# KiCad board KeyBoard.kicad_pcb (continued)
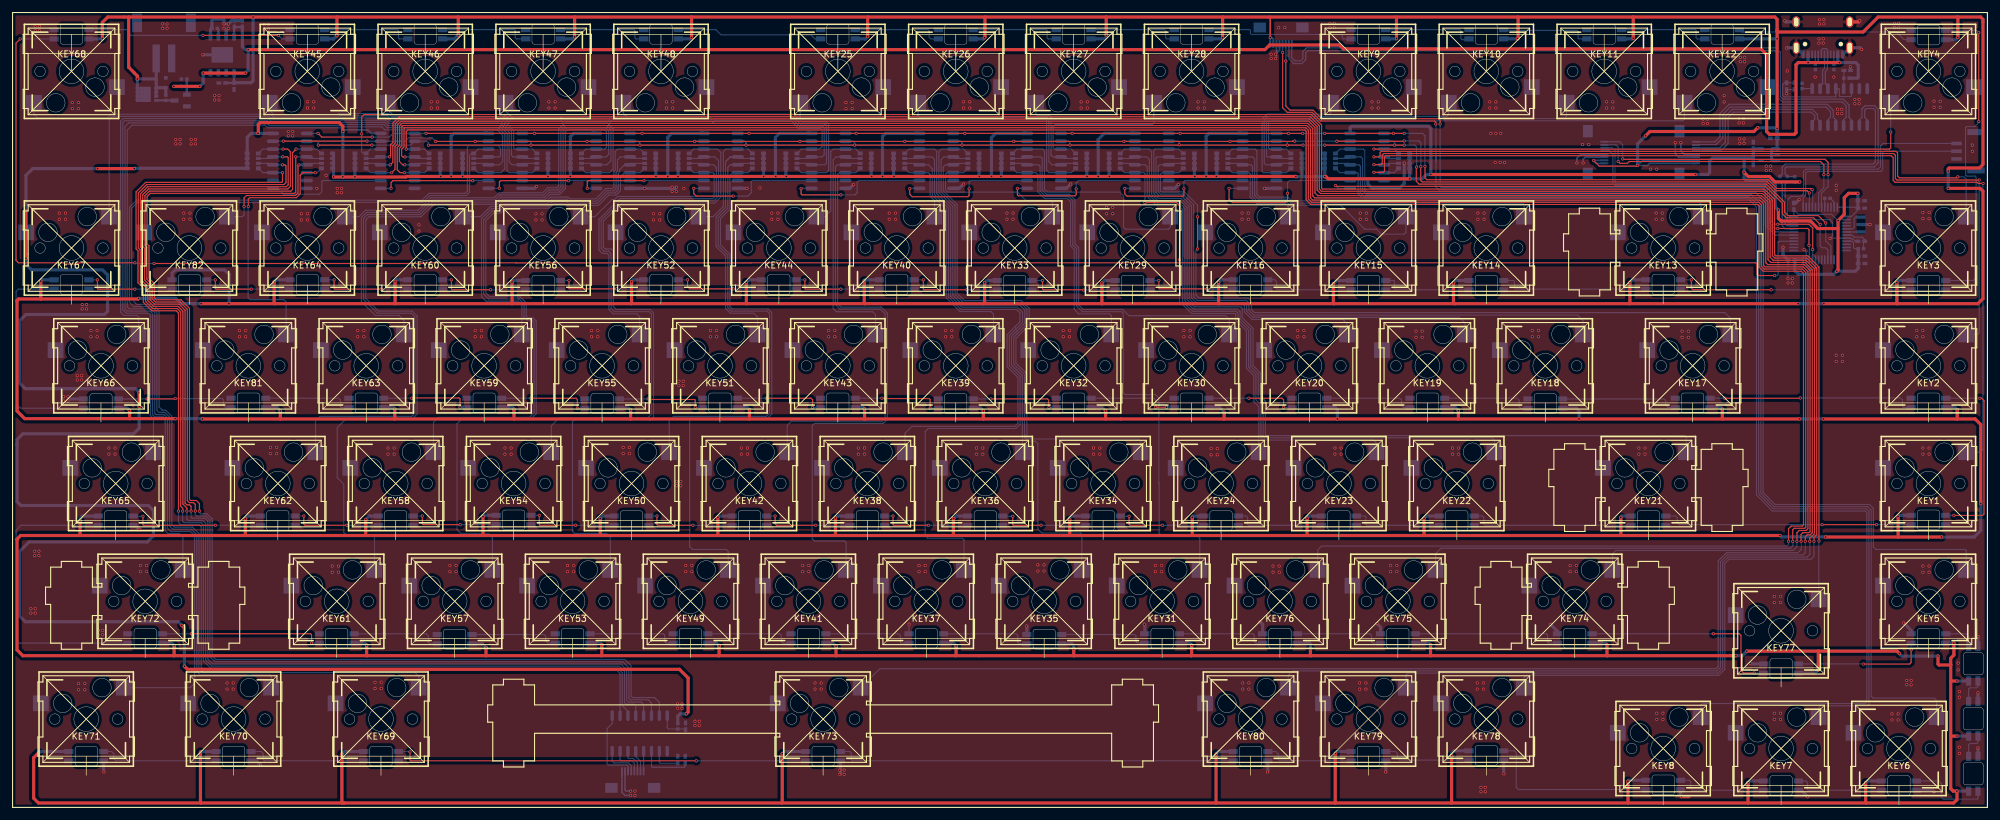
[diagram p0: board, top side]
## Routing (per net, layer and track width the routed paths; a pad name or vN(x,y) marks a point on that pad's centre or on a via; arc(x,y) is an arc through that point) (continued)
Net-(U7-DS): length 21.4
  Top w0.178: v1(102.04,101.43) 93.04,101.43 92.89,101.28 v1(92.89,100.18)
  Bottom w0.178: U8.9 94.31,100.18 v1(92.89,100.18) ; v1(102.04,101.43) 102.06,101.45 U7.10
Net-(U8-D0): length 67.5
  Bottom w0.178: R16.4 92.66,102.72 U8.11 96.48,102.72 97.06,103.29 97.06,109.82 96.17,110.71 89.21,110.71 88.27,109.77 88.27,100.56 87.99,100.28 86.49,100.28 85.68,99.47 78.66,99.47 77.86,98.66 67.58,98.66 65.56,96.64 57.06,96.64 56.02,95.61 53.75,95.61
Net-(U8-D1): length 86.3
  Bottom w0.178: R16.3 94.08,104.23 94.32,103.99 96.05,103.99 96.7,104.64 96.7,109.67 96.02,110.35 89.36,110.35 88.63,109.62 88.63,100.41 88.14,99.92 86.64,99.92 85.83,99.11 78.81,99.11 78,98.31 67.73,98.31 65.71,96.29 57.2,96.29 56.39,95.47 56.39,81.88 58.64,79.63 62.49,79.63 63.27,78.84 63.27,76.56
Net-(U8-D2): length 119.5
  Bottom w0.178: 48.98,57.51 48.98,62.57 49.7,63.29 64.5,63.29 65.04,63.83 65.04,79.38 64.43,79.98 58.98,79.98 56.74,82.22 56.74,95.33 57.35,95.93 65.86,95.93 67.88,97.95 78.15,97.95 78.95,98.75 85.97,98.75 86.78,99.56 88.28,99.56 88.98,100.26 88.98,109.47 89.5,109.99 95.87,109.99 96.34,109.52 96.34,105.68 95.92,105.26 U8.13 94.08,105.03 R16.2
Net-(U8-D3): length 137.4
  Bottom w0.178: R16.1 92.65,106.53 U8.14 95.74,106.53 95.99,106.78 95.99,109.38 95.73,109.64 89.65,109.64 89.34,109.33 89.34,100.12 88.43,99.21 86.93,99.21 86.12,98.4 79.1,98.4 78.3,97.6 68.03,97.6 66,95.58 57.59,95.58 57.1,95.09 57.1,82.37 59.13,80.34 64.58,80.34 65.39,79.52 65.39,63.68 64.65,62.93 53.94,62.93 52.49,61.48 52.49,53.38 53.54,52.33 53.54,44.53 53.89,44.18 58.29,44.18 58.51,43.96 58.51,38.46
Net-(U8-D4): length 37.7
  Bottom w0.178: R15.4 101.45,106.53 U8.3 97.79,106.53 97.41,106.15 97.41,103.15 97.19,102.92 97.19,100.33 97.01,100.15 95.9,100.15 94.23,98.48 90.09,98.48 89.79,98.78 87,98.78 86.27,98.04 79.25,98.04 78.45,97.24 77.26,97.24 75.62,95.61 72.8,95.61
Net-(U8-D5): length 57.9
  Bottom w0.178: R15.3 100.02,105.03 U8.4 98.22,105.26 97.77,104.8 97.77,103 97.54,102.78 97.54,100.13 97.21,99.79 96.05,99.79 94.37,98.12 89.94,98.12 89.64,98.42 87.15,98.42 86.41,97.69 79.39,97.69 78.59,96.89 77.4,96.89 75.79,95.27 75.79,82.68 76.54,81.93 81.74,81.93 82.32,81.34 82.32,76.56
Net-(U8-D6): length 91.5
  Bottom w0.178: 68.03,57.51 68.03,62.32 68.84,63.13 83.54,63.13 84.29,63.88 84.29,78.58 83.99,78.88 83.14,78.88 82.68,79.34 82.68,81.49 81.89,82.28 76.93,82.28 76.14,83.07 76.14,95.13 77.55,96.53 78.74,96.53 79.54,97.33 86.56,97.33 87.29,98.06 89.49,98.06 89.79,97.76 94.52,97.76 96.19,99.44 97.35,99.44 97.9,99.98 97.9,102.63 98.12,102.85 98.12,103.21 98.9,103.99 99.79,103.99 100.02,104.23 R15.2
Net-(U8-D7): length 111.7
  Bottom w0.178: U8.6 101.44,102.72 R15.1 ; U8.6 98.88,102.72 ; U8.6 98.9,102.72 98.26,102.08 98.26,99.84 97.5,99.08 96.34,99.08 94.67,97.41 89.65,97.41 89.35,97.71 87.44,97.71 86.71,96.98 79.69,96.98 78.89,96.18 77.7,96.18 76.5,94.98 76.5,83.26 77.13,82.64 82.03,82.64 83.03,81.64 83.03,79.48 83.29,79.23 84.14,79.23 84.64,78.72 84.64,63.73 83.69,62.77 72.53,62.77 71.84,62.08 71.84,44.98 72.54,44.28 76.99,44.28 77.56,43.71 77.56,38.46
Net-(U9-D0): length 153.3
  Bottom w0.178: 27.55,38.46 27.55,43.76 26.99,44.33 25.19,44.33 24.69,44.83 24.69,62.88 24.34,63.23 22.99,63.23 22.64,63.57 22.64,79.92 22.23,80.34 18.53,80.34 18.2,80.67 18.2,110.19 18.77,110.76 41.09,110.76 41.52,110.33 53.28,110.33 53.45,110.5 60.05,110.5 60.55,109.99 78.5,109.99 79.57,108.93 79.57,103.33 78.96,102.72 U9.11 75.25,102.72 R18.4
Net-(U9-D1): length 181.4
  Bottom w0.178: R18.3 76.67,104.23 76.9,103.99 78.7,103.99 79.21,104.5 79.21,108.78 78.36,109.64 60.19,109.64 59.69,110.14 53.6,110.14 53.43,109.98 41.27,109.98 40.84,110.4 19.37,110.4 18.56,109.59 18.56,81.01 18.87,80.69 22.38,80.69 23,80.07 23,63.76 23.18,63.58 24.49,63.58 25.04,63.02 25.04,45.22 25.58,44.68 28.78,44.68 29.44,44.03 29.44,20.13 28.72,19.41 18.03,19.41
Net-(U9-D2): length 172
  Bottom w0.178: R18.2 76.67,105.03 U9.13 78.67,105.26 78.86,105.44 78.86,106.71 78.47,107.1 73.76,107.1 73.52,106.86 73.52,99.71 73.19,99.38 67.29,99.38 66.19,98.28 20.09,98.28 18.91,97.1 18.91,81.75 19.62,81.05 22.53,81.05 23.36,80.22 23.36,64.26 23.68,63.94 24.63,63.94 25.4,63.17 25.4,45.56 25.93,45.04 28.93,45.04 29.79,44.17 29.79,22.02 30.34,21.48 41.64,21.48 41.84,21.27 41.84,19.41
Net-(U9-D3): length 185.5
  Bottom w0.178: 65.65,19.41 65.65,21.26 65.08,21.83 30.78,21.83 30.15,22.46 30.15,44.32 29.08,45.39 26.17,45.39 25.76,45.81 25.76,63.32 24.78,64.29 24.22,64.29 23.71,64.8 23.71,80.37 22.67,81.4 20.11,81.4 19.27,82.25 19.27,96.95 20.24,97.92 66.34,97.92 67.44,99.02 73.34,99.02 73.87,99.56 73.87,105.51 74.19,105.83 R18.1 75.24,106.53 U9.14
Net-(U9-D4): length 88
  Bottom w0.178: R17.4 84.04,106.53 U9.3 81.18,106.53 80.99,106.73 80.99,109.52 79.09,111.42 61.14,111.42 60.64,111.92 52.86,111.92 52.7,111.75 42.11,111.75 41.68,112.18 15.94,112.18 15.33,111.58 4.09,111.58 3.45,112.21 3.45,114.02
Net-(U9-D5): length 90.3
  Bottom w0.178: 15.65,95.61 15.65,111.38 16.09,111.83 41.53,111.83 41.96,111.4 52.84,111.4 53.01,111.56 60.49,111.56 61,111.06 78.95,111.06 80.63,109.37 80.63,105.53 80.9,105.26 U9.4 82.61,105.03 R17.3
Net-(U9-D6): length 110.5
  Bottom w0.178: 20.41,76.56 20.41,79.36 20.14,79.63 17.99,79.63 17.49,80.13 17.49,111.08 17.88,111.47 41.38,111.47 41.81,111.04 52.99,111.04 53.16,111.21 60.34,111.21 60.85,110.71 78.8,110.71 80.28,109.23 80.28,104.44 80.72,103.99 82.38,103.99 82.61,104.23 R17.2
Net-(U9-D7): length 132
  Bottom w0.178: R17.1 84.03,102.72 U9.6 80.24,102.72 79.92,103.04 79.92,109.08 78.65,110.35 60.7,110.35 60.2,110.85 53.3,110.85 53.14,110.69 41.67,110.69 41.24,111.12 18.13,111.12 17.84,110.83 17.84,80.52 18.38,79.98 22.08,79.98 22.29,79.78 22.29,63.43 22.79,62.92 22.79,57.51
Net-(U10-D0): length 413.3
  Top w0.178: v1(289.69,43.08) 289.69,43.83 289.99,44.13 290.48,44.13 290.82,44.46 290.82,87.02 289.64,88.2 284.12,88.2 283.66,88.65 283.66,97.97 282.63,99 210.92,99 210.46,99.45 210.46,110.02 209.43,111.05 62.8,111.05 62.22,110.47 62.22,107.34 61.82,106.95 61.82,103.26 v1(61.29,102.73)
  Bottom w0.178: v1(289.69,43.08) 289.69,41.23 289.35,40.89 277.09,40.89 275.98,39.77 275.98,22.66 275.44,22.12 206.83,22.12 206.15,21.43 206.15,19.41 ; R20.4 57.86,102.72 U10.11 59.52,102.73 v1(61.29,102.73)
Net-(U10-D1): length 393.9
  Top w0.178: v1(61.04,103.98) 61.47,104.4 61.47,107.1 61.86,107.49 61.86,110.61 62.65,111.4 209.58,111.4 210.82,110.16 210.82,99.9 211.36,99.35 282.78,99.35 284.02,98.11 284.02,89.05 284.51,88.55 289.79,88.55 291.18,87.17 291.18,44.32 290.41,43.55 v1(290.41,43.08)
  Bottom w0.178: R20.3 59.28,104.23 59.53,103.98 v1(61.04,103.98) ; v1(290.41,43.08) 290.44,43.05 290.44,40.98 289.99,40.53 277.24,40.53 276.33,39.62 276.33,22.51 275.58,21.76 225.48,21.76 225.2,21.48 225.2,19.41
Net-(U10-D2): length 374.9
  Top w0.178: v1(291.09,43.08) 291.09,43.73 291.53,44.17 291.53,87.31 289.94,88.91 284.76,88.91 284.37,89.29 284.37,98.26 282.92,99.71 211.51,99.71 211.17,100.05 211.17,110.31 209.72,111.76 62.51,111.76 61.51,110.76 61.51,107.64 61.11,107.24 61.11,105.45 v1(60.94,105.28)
  Bottom w0.178: v1(60.94,105.28) 59.53,105.28 U10.13 59.28,105.03 R20.2 ; v1(291.09,43.08) 291.09,40.68 290.59,40.18 277.39,40.18 276.69,39.48 276.69,22.37 275.73,21.41 244.62,21.41 244.25,21.03 244.25,19.41
Net-(U10-D3): length 320
  Top w0.178: v1(291.89,43.13) 291.89,87.46 290.08,89.27 284.9,89.27 284.73,89.44 284.73,98.41 283.07,100.07 211.7,100.07 211.53,100.24 211.53,110.46 209.87,112.12 56.83,112.12 56.44,111.73 v1(56.44,108.99)
  Bottom w0.178: 291.87,33.69 291.87,43.11 v1(291.89,43.13) ; v1(56.44,108.99) 56.44,106.08 56.69,105.83 R20.1 57.85,106.53 U10.14
Net-(U10-D4): length 380.2
  Top w0.178: v1(63.64,106.53) 63.64,109.38 63.89,109.63 208.84,109.63 209.04,109.43 209.04,98.32 209.78,97.58 282.04,97.58 282.24,97.38 282.24,87.43 282.89,86.78 289.04,86.78 289.4,86.42 289.4,45.74 289.21,45.55 287.41,45.55 286.98,45.11 v1(286.98,43.08)
  Bottom w0.178: R19.4 66.63,106.53 U10.3 64.98,106.53 v1(63.64,106.53) ; 210.91,38.46 210.91,41.7 211.52,42.31 286.72,42.31 286.98,42.56 v1(286.98,43.08)
Net-(U10-D5): length 364.8
  Top w0.178: v1(287.66,43.08) 287.66,44.94 287.91,45.19 289.61,45.19 289.76,45.34 289.76,86.58 289.2,87.13 283.04,87.13 282.59,87.57 282.59,97.52 282.19,97.93 209.93,97.93 209.39,98.47 209.39,109.57 208.99,109.98 63.32,109.98 63.28,109.94 63.28,106.9 62.89,106.51 62.89,105.48 63.1,105.26 v1(63.44,105.26)
  Bottom w0.178: R19.3 65.22,105.03 U10.4 v1(63.44,105.26) ; 229.96,38.46 229.96,41.1 230.82,41.95 287.27,41.95 287.69,42.38 287.69,43.04 v1(287.66,43.08)
Net-(U10-D6): length 339.1
  Top w0.178: v1(63.39,103.99) 63.07,103.99 62.53,104.53 62.53,106.65 62.93,107.05 62.93,110.17 63.09,110.34 209.13,110.34 209.75,109.72 209.75,98.61 210.08,98.29 282.33,98.29 282.95,97.67 282.95,87.72 283.18,87.49 289.35,87.49 290.11,86.72 290.11,45.15 289.8,44.84 288.7,44.84 288.33,44.47 v1(288.33,43.08)
  Bottom w0.178: 258.53,38.46 258.53,41.07 259.06,41.6 287.71,41.6 288.33,42.22 v1(288.33,43.08) ; v1(63.39,103.99) 64.99,103.99 65.22,104.23 R19.2
Net-(U10-D7): length 480.4
  Top w0.178: v1(289.01,43.08) 289.01,44.2 289.29,44.48 290.29,44.48 290.47,44.65 290.47,86.87 289.49,87.84 283.62,87.84 283.31,88.16 283.31,97.82 282.48,98.64 210.42,98.64 210.11,98.96 210.11,109.87 209.28,110.69 62.95,110.69 62.57,110.32 62.57,107.2 62.18,106.8 62.18,103.19 62.64,102.72 v1(63.34,102.72)
  Bottom w0.178: v1(63.34,102.72) U10.6 66.62,102.72 R19.1 ; v1(289.01,43.08) 289.04,43.05 289.04,41.78 288.51,41.24 276.95,41.24 275.62,39.92 275.62,22.81 275.29,22.48 140.16,22.48 137.09,19.41
Net-(U10-DS): length 19.7
  Bottom w0.178: U11.9 42.83,100.18 43.79,99.23 49.59,99.23 49.99,99.63 49.99,101.28 50.16,101.45 U10.10
Net-(U10-Q7): length 18.5
  Top w0.178: v1(61.19,100.18) 61.19,101.13 61.49,101.43 v1(74.39,101.43)
  Bottom w0.178: v1(74.39,101.43) 74.42,101.45 U9.10 ; U10.9 59.52,100.18 v1(61.19,100.18)
Net-(U11-D0): length 190.2
  Top w0.178: v1(26.84,47.98) 26.84,80.03 26.49,80.38 22.52,80.38 21.16,81.74 21.16,84.04 20.3,84.9 20.3,90.08 19.99,90.39 19.99,99.6 21.54,101.15 43.52,101.15 43.64,101.28 v1(43.64,102.73)
  Bottom w0.178: U12.10 98.18,21.68 97.67,22.19 31.08,22.19 30.51,22.76 30.51,45.41 30.17,45.75 27.22,45.75 26.84,46.13 v1(26.84,47.98) ; 98.18,14.07 98.19,14.07 ; v1(43.64,102.73) 43.63,102.72 U11.11 40.45,102.72 R22.4
Net-(U11-D1): length 191.7
  Top w0.178: v1(43.64,103.98) 44.04,103.98 44.21,103.81 44.21,101.11 43.89,100.8 21.7,100.8 20.34,99.44 20.34,90.54 20.66,90.22 20.66,85.05 21.52,84.19 21.52,81.89 22.67,80.73 26.64,80.73 27.19,80.17 27.19,48.77 27.52,48.45 v1(27.52,47.98)
  Bottom w0.178: U12.11 99.45,15.61 98.54,16.52 98.54,21.82 97.82,22.54 32.07,22.54 30.86,23.75 30.86,45.75 30.51,46.1 27.71,46.1 27.52,46.3 v1(27.52,47.98) ; v1(43.64,103.98) 43.62,103.99 42.1,103.99 41.87,104.23 R22.3
Net-(U11-D2): length 194.4
  Top w0.178: v1(43.69,105.28) 44.44,105.28 44.56,105.15 44.56,100.75 44.26,100.44 21.85,100.44 20.7,99.3 20.7,90.68 21.01,90.37 21.01,85.19 21.87,84.33 21.87,82.03 22.82,81.09 26.78,81.09 27.55,80.32 27.55,49.11 28.19,48.47 v1(28.19,47.98)
  Bottom w0.178: v1(28.19,47.98) 28.19,46.67 28.41,46.46 30.76,46.46 31.22,46 31.22,23.9 32.21,22.9 98.07,22.9 98.9,22.06 98.9,17.01 99.19,16.73 100.49,16.73 100.72,16.49 U12.12 ; v1(43.69,105.28) 43.67,105.26 U11.13 41.87,105.03 R22.2
Net-(U11-D3): length 197.1
  Top w0.178: v1(43.74,106.53) 44.5,106.53 44.92,106.11 44.92,100.5 44.5,100.09 21.99,100.09 21.06,99.15 21.06,90.83 21.37,90.52 21.37,85.34 22.23,84.48 22.23,82.18 22.97,81.44 26.93,81.44 27.91,80.47 27.91,49.26 28.19,48.98 28.63,48.98 28.87,48.74 v1(28.87,47.98)
  Bottom w0.178: v1(43.74,106.53) 43.73,106.53 U11.14 40.44,106.53 R22.1 ; U12.13 101.99,16.67 101.58,17.08 99.53,17.08 99.26,17.36 99.26,22.31 98.31,23.25 32.36,23.25 31.57,24.04 31.57,46.39 31.15,46.82 29.05,46.82 28.87,46.99 v1(28.87,47.98)
Net-(U11-D4): length 197.4
  Top w0.178: v1(45.84,106.53) 45.27,105.96 45.27,100.01 44.99,99.73 22.14,99.73 21.41,99 21.41,90.98 21.72,90.67 21.72,85.49 22.58,84.63 22.58,82.33 23.11,81.8 27.08,81.8 28.26,80.62 28.26,49.65 28.58,49.34 29.28,49.34 29.55,49.06 v1(29.55,47.98)
  Bottom w0.178: v1(29.55,47.98) 29.55,47.36 29.74,47.17 31.3,47.17 31.93,46.54 31.93,24.39 32.71,23.61 98.61,23.61 99.61,22.6 99.61,17.7 99.88,17.44 102.73,17.44 103.26,16.9 U12.14 ; v1(45.84,106.53) 45.84,106.53 U11.3 49.24,106.53 R21.4
Net-(U11-D5): length 196.8
  Top w0.178: v1(45.79,105.28) 45.79,99.58 45.59,99.38 22.29,99.38 21.77,98.85 21.77,91.18 22.08,90.86 22.08,85.64 22.94,84.78 22.94,82.48 23.26,82.15 27.23,82.15 28.62,80.76 28.62,49.85 28.77,49.69 29.72,49.69 30.23,49.19 v1(30.23,47.98)
  Bottom w0.178: R21.3 47.81,105.03 U11.4 45.8,105.26 v1(45.79,105.28) ; U12.15 104.53,17.03 103.77,17.79 100.22,17.79 99.97,18.05 99.97,22.95 98.95,23.97 32.85,23.97 32.28,24.53 32.28,46.69 31.44,47.53 30.44,47.53 30.23,47.74 v1(30.23,47.98)
Net-(U11-D6): length 23
  Top w0.178: v1(46.31,103.98) 46.14,103.81 46.14,99.43 45.74,99.02 37.82,99.02 37.44,98.64 v1(37.44,97.25)
  Bottom w0.178: v1(37.44,97.25) 37.44,95.88 37.17,95.61 34.7,95.61 ; v1(46.31,103.98) 46.32,103.99 47.57,103.99 47.81,104.23 R21.2
Net-(U11-D7): length 44.7
  Top w0.178: v1(38.12,97.25) 38.12,98.45 38.33,98.66 45.88,98.66 46.5,99.28 46.5,102.29 46.94,102.73 48.93,102.73 v1(48.94,102.72)
  Bottom w0.178: 44.22,76.56 44.22,81.79 43.84,82.18 38.39,82.18 38.09,82.48 38.09,97.23 v1(38.12,97.25) ; U11.6 v1(48.94,102.72) 49.23,102.72 R21.1
Net-(U12-C1): length 4.9
  Bottom w0.178: C1.1 107.46,7.18 104.69,7.18 104.53,7.33 U12.2
Net-(U12-CSEL): length 8.6
  Bottom w0.178: C2.2 108.71,6.65 108.59,6.53 103.39,6.53 103.26,6.65 U12.3
Net-(U12-PAD0): length 2.4
  Bottom w0.178: FPC1.8 101.99,8.32 101.99,8.32
Net-(U12-PAD1): length 3.6
  Bottom w0.178: FPC1.7 101.49,7.48 100.72,8.24 U12.5
Net-(U12-PAD2): length 4.3
  Bottom w0.178: FPC1.6 100.99,7.28 100.32,7.94 99.59,7.94 99.45,8.08 U12.6
Net-(U12-PAD3): length 5.2
  Bottom w0.178: FPC1.5 100.49,7.18 100.08,7.59 98.38,7.59 98.18,7.78 U12.7
Net-(U12-PAD4): length 5.9
  Bottom w0.178: U12.8 96.91,7.55 97.23,7.23 99.53,7.23 99.99,6.78 FPC1.4
Net-(U12-PAD5): length 12.5
  Bottom w0.178: U12.9 96.91,13.6 96.09,12.78 96.09,7.08 96.29,6.88 99.32,6.88 99.49,6.71 FPC1.3
Net-(U12-VDD): length 5
  Bottom w0.178: C3.2 108.66,12.72 R23.2 105.99,12.72 105.8,12.91 U12.16
Net-(U13-BOOT0): length 1.4
  Bottom w0.178: R28.1 U13.44
Net-(U13-PB2BOOT1): length 1.5
  Bottom w0.178: R29.1 U13.20
Net-(U15-DCP): length 18.7
  Bottom w0.178: U15.14 297.16,115.15 297.04,115.03 295.24,115.03 295.19,115.08 295.19,116.23 295.1,116.31 U15.12 294.62,115.06 294.54,114.98 286.29,114.98 286.03,115.23 286.03,116.97 286.31,117.24 C14.1 286.68,117.25 C15.2
Net-(U15-REXT): length 1.6
  Bottom w0.178: R32.1 U15.9
Net-(U15-VCC): length 3
  Bottom w0.178: C16.1 R33.1 295.92,116.34 U15.13
Net-(U17-PROG): length 1.5
  Bottom w0.381: U17.2 33.29,124.69 33.29,125.88 R37.2
Net-(USBC1-CC1): length 1.6
  Bottom w0.178: R31.2 291.32,121.81 USBC1.A5
Net-(USBC1-CC2): length 1.6
  Bottom w0.178: USBC1.B5 294.29,120.29 R30.2

## Copper pours and planes (outline as drawn; the poured copper is in the pictures)
GND on Top, Bottom: -8.31,151.58 338.99,153.48 333.09,-27.42 -13.91,-20.82
